# KiCad board data-center-rdimm-ddr4-tester.kicad_pcb (continued)
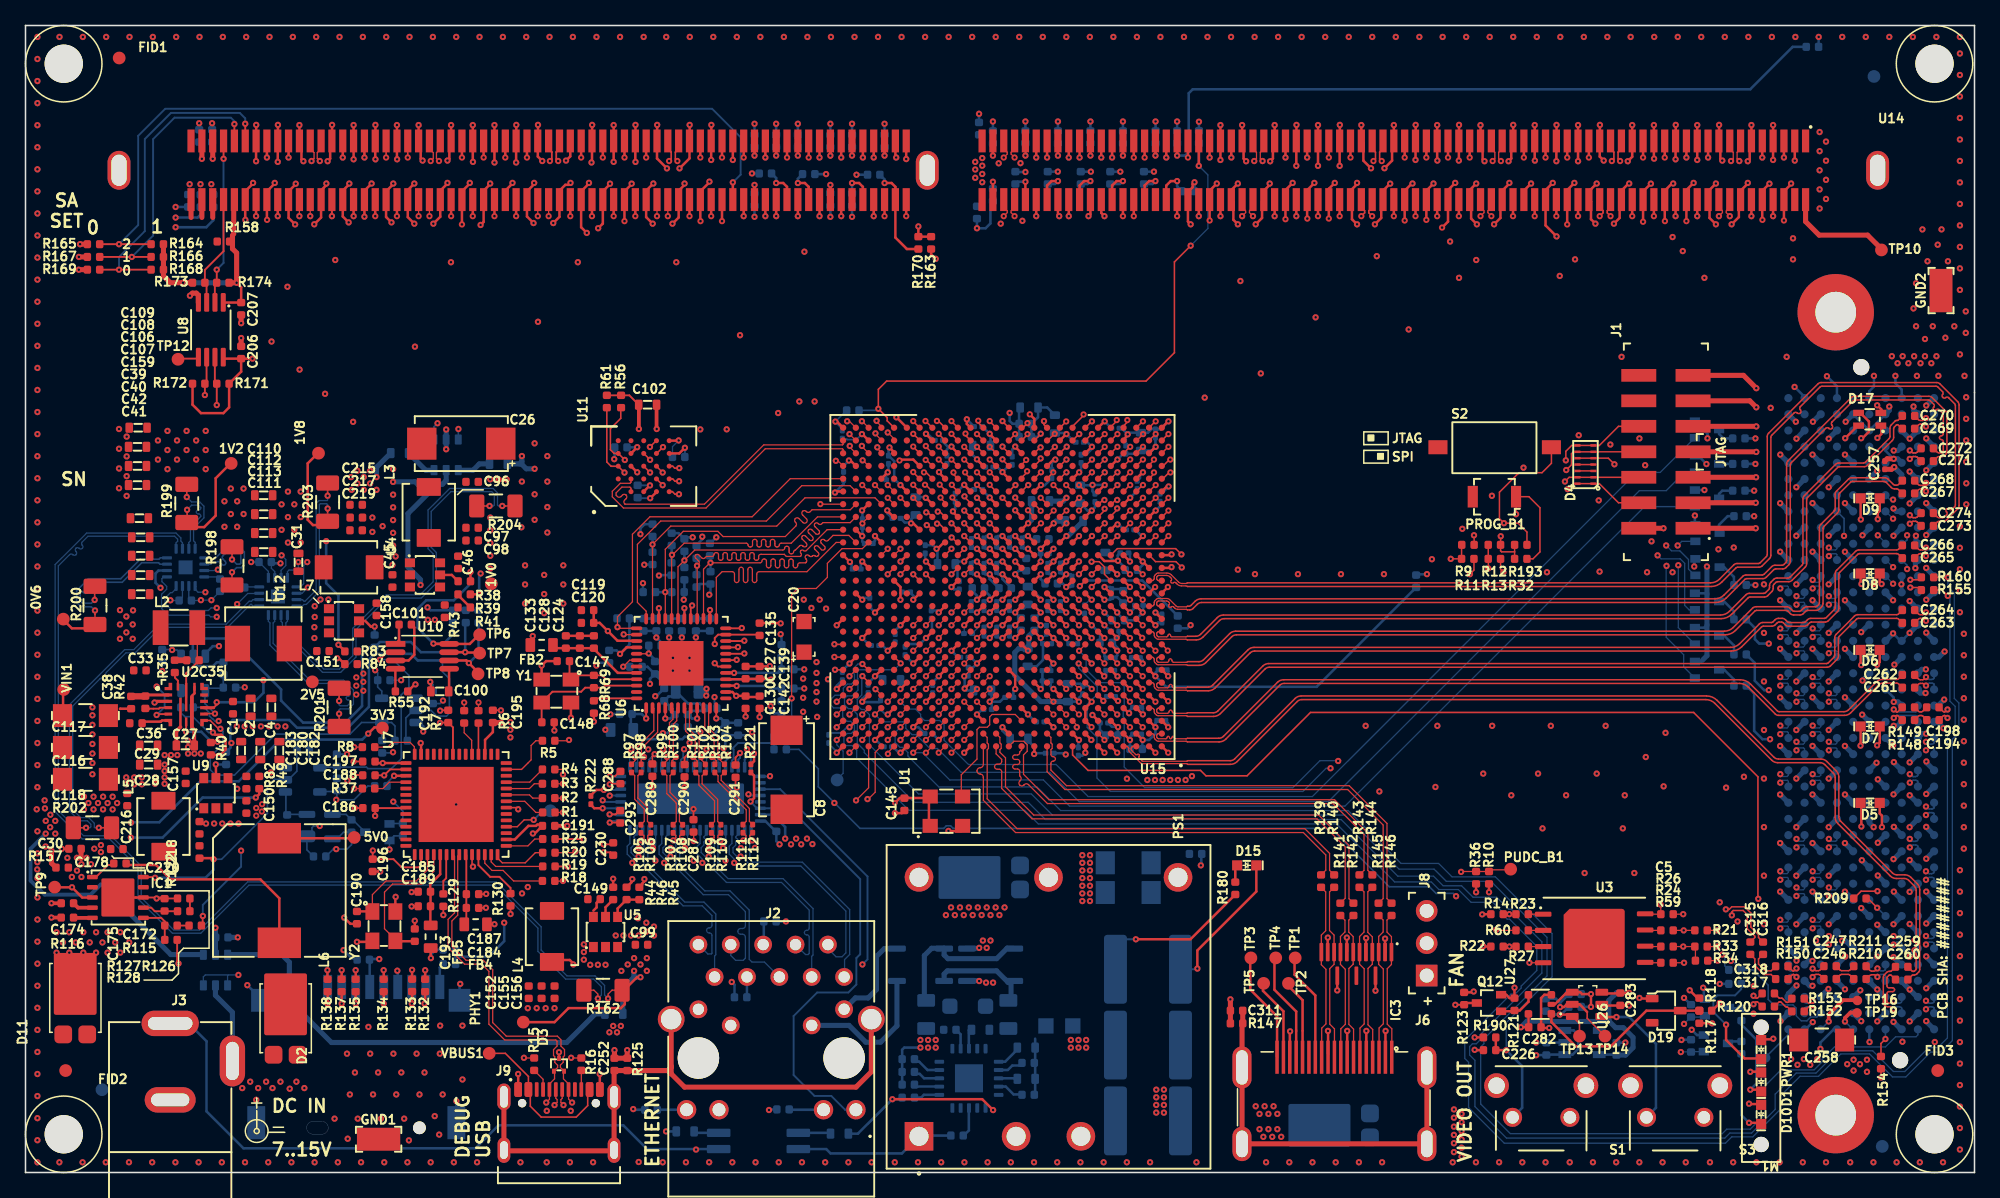
[diagram p0: board, top side]
## Routing (per net, layer and track width the routed paths; a pad name or vN(x,y) marks a point on that pad's centre or on a via; arc(x,y) is an arc through that point) (continued)
  In5.Cu w0.1: 83.8,38.98 84.26,39.44 86.1,39.44 87.54,38 91.71,38 97.56,43.85 132.51,43.85 135.26,46.6 136.71,46.6 137.66,47.55 138.46,47.55 138.86,47.95 140.46,47.95 141.06,48.55 141.28,48.55 v1(141.46,48.37)
  Bottom w0.1: v1(141.46,48.37) 141.64,48.55 142.02,48.55 142.09,48.48 J5.G30
FMC_IO_10_N: length 83.4
  Top w0.1: U15.E16 v3(74.64,37.94)
  In5.Cu w0.09: v3(74.64,37.94) 74.97,37.94 75.03,37.88 75.03,37.59 75.29,37.33 75.47,37.33 75.47,37.33 76.4,37.33 76.46,37.28 arc(76.48,37.22) 76.46,37.17 76.39,37.1 arc(76.31,36.91) 76.39,36.71 76.53,36.57 arc(76.72,36.49) 76.92,36.57 76.99,36.64 arc(77.04,36.66) 77.09,36.64 77.27,36.47 arc(77.53,36.36) 77.8,36.47 77.87,36.54 arc(77.99,36.59) 78.12,36.54 arc(78.17,36.41) 78.12,36.29 78.05,36.22 arc(77.94,35.95) 78.05,35.69 78.39,35.35 78.71,35.35 78.76,35.3 arc(78.79,35.21) 78.76,35.12 78.67,35.03 arc(78.63,34.94) 78.67,34.85 arc(78.76,34.82) 78.84,34.85 78.93,34.94 arc(79.02,34.98) 79.11,34.94 79.16,34.89 79.16,34.59 78.71,34.14 arc(78.57,33.81) 78.71,33.47 arc(79.05,33.33) 79.38,33.47 79.63,33.72 arc(79.82,33.8) 80.02,33.72 80.39,33.34 80.69,33.34 arc(80.94,33.44) 81.04,33.69 81.04,33.79 arc(81.08,33.9) 81.19,33.94 81.24,33.94 arc(81.35,33.9) 81.39,33.79 81.39,33.69 arc(81.49,33.44) 81.74,33.34 81.79,33.34 arc(81.91,33.29) 81.97,33.17 81.97,33.02 arc(82.07,32.75) 82.34,32.64 arc(82.61,32.75) 82.72,33.02 82.72,33.17 arc(82.77,33.29) 82.89,33.34 83.55,33.34 84.04,32.85 84.82,32.85 arc(84.86,32.84) 84.89,32.82 84.92,32.79
  In5.Cu w0.1: v1(140.19,42.68) 140.37,42.5 140.64,42.5 140.76,42.62 140.76,42.9 140.53,43.13 139.9,43.13 139.53,42.76 138.22,42.76 137.87,43.1 136.54,43.1 135.95,42.51 135.95,42.29 133.76,40.1 99.56,40.1 94.29,34.83 94.29,34.18 94.15,34.04 arc(93.76,33.88) 93.37,34.04 93.18,34.23 arc(93.01,34.3) 92.83,34.23 arc(92.76,34.05) 92.83,33.87 93.02,33.69 arc(93.18,33.3) 93.02,32.91 92.9,32.79 84.92,32.79
  Bottom w0.1: 140.82,42.98 140.82,42.61 140.72,42.5 140.37,42.5 v1(140.19,42.68)
FMC_IO_10_P: length 83.5
  Top w0.1: U15.E15 v3(75.64,37.94)
  In5.Cu w0.09: v3(75.64,37.94) 75.31,37.94 75.24,37.86 75.24,37.67 75.37,37.53 75.39,37.53 75.39,37.53 76.48,37.53 76.6,37.42 arc(76.68,37.22) 76.6,37.03 76.53,36.96 arc(76.51,36.91) 76.53,36.85 76.67,36.71 arc(76.72,36.69) 76.78,36.71 76.85,36.78 arc(77.04,36.86) 77.24,36.78 77.41,36.61 arc(77.53,36.56) 77.66,36.61 77.73,36.68 arc(77.99,36.79) 78.26,36.68 arc(78.37,36.41) 78.26,36.15 78.19,36.08 arc(78.14,35.95) 78.19,35.83 78.47,35.54 78.79,35.54 79.36,34.98 79.36,34.51 78.85,34 arc(78.77,33.81) 78.85,33.61 arc(79.05,33.53) 79.24,33.61 79.49,33.86 arc(79.82,34) 80.16,33.86 80.48,33.54 80.69,33.54 arc(80.8,33.58) 80.84,33.69 80.84,33.79 arc(80.94,34.04) 81.19,34.14 81.24,34.14 arc(81.49,34.04) 81.59,33.79 81.59,33.69 arc(81.63,33.58) 81.74,33.54 81.79,33.54 arc(82.06,33.43) 82.16,33.17 82.16,33.02 arc(82.22,32.89) 82.34,32.84 arc(82.46,32.89) 82.51,33.02 82.51,33.17 arc(82.62,33.43) 82.89,33.54 83.63,33.54 84.12,33.05 84.84,33.05 arc(84.88,33.06) 84.91,33.08 84.92,33.09
  In5.Cu w0.1: v1(140.19,42.02) 140.37,42.2 140.76,42.2 141.06,42.5 141.06,43.02 140.65,43.43 139.78,43.43 139.41,43.06 138.34,43.06 138,43.4 136.42,43.4 135.65,42.64 135.65,42.41 133.64,40.4 99.44,40.4 93.99,34.95 93.99,34.3 93.94,34.25 arc(93.76,34.18) 93.59,34.25 93.4,34.44 arc(93.01,34.6) 92.62,34.44 arc(92.46,34.05) 92.62,33.66 92.81,33.47 arc(92.88,33.3) 92.81,33.12 92.78,33.09 84.92,33.09
  Bottom w0.1: 140.82,41.72 140.82,42.13 140.75,42.2 140.37,42.2 v1(140.19,42.02)
FMC_IO_11_N: length 82.4
  Top w0.1: v1(71.69,37.92) 71.69,37.99 U15.F18
  In7.Cu w0.09: 91.2,34.44 91.18,34.46 arc(91.14,34.48) 91.11,34.49 90.17,34.49 89.59,33.9 88.46,33.9 88.02,34.33 82.47,34.33 82.33,34.19 79.04,34.19 78.92,34.3 arc(78.81,34.57) 78.92,34.84 79.3,35.21 arc(79.35,35.34) 79.3,35.46 arc(79.18,35.51) 79.05,35.46 78.67,35.08 arc(78.41,34.97) 78.14,35.08 77.82,35.41 arc(77.68,35.47) 77.54,35.41 77.43,35.3 arc(77.15,35.18) 76.87,35.3 arc(76.75,35.58) 76.87,35.87 77.41,36.41 arc(77.45,36.5) 77.41,36.59 77.31,36.7 arc(77.22,36.73) 77.13,36.7 76.44,36.01 arc(76.16,35.89) 75.88,36.01 arc(75.76,36.29) 75.88,36.57 76.56,37.26 arc(76.6,37.35) 76.56,37.44 76.46,37.55 arc(76.37,37.58) 76.28,37.55 76.21,37.47 arc(75.98,37.38) 75.75,37.47 75.69,37.54 arc(75.56,37.59) 75.44,37.54 75.26,37.36 arc(75,37.25) 74.73,37.36 arc(74.62,37.63) 74.73,37.89 74.91,38.07 arc(74.96,38.19) 74.91,38.32 74.7,38.52 73.51,38.52 73.33,38.34 71.81,38.34 71.69,38.22 v1(71.69,37.92)
  In7.Cu w0.1: v1(137.65,38.87) 137.65,38.86 137.82,38.69 138.06,38.69 138.25,38.89 138.25,39.1 138.05,39.3 137.24,39.3 arc(137.12,39.25) 137.07,39.12 137.07,38.89 arc(137.02,38.76) 136.89,38.71 arc(136.77,38.76) 136.72,38.89 136.72,39.12 arc(136.67,39.25) 136.54,39.3 136.11,39.3 134.66,37.85 98.06,37.85 94.65,34.44 91.2,34.44
  Bottom w0.1: v1(137.65,38.87) 137.83,38.69 138.18,38.69 138.28,38.8 138.28,39.17
FMC_IO_11_P: length 82.7
  Top w0.1: U15.G17 v1(72.64,38.94)
  In7.Cu w0.09: 91.2,34.74 91.18,34.72 arc(91.14,34.7) 91.11,34.69 90.09,34.69 89.5,34.1 88.54,34.1 88.11,34.53 82.39,34.53 82.24,34.39 79.12,34.39 79.06,34.45 arc(79.01,34.57) 79.06,34.69 79.44,35.07 arc(79.55,35.34) 79.44,35.6 arc(79.18,35.71) 78.91,35.6 78.53,35.22 arc(78.41,35.17) 78.29,35.22 77.96,35.55 arc(77.68,35.67) 77.4,35.55 77.29,35.44 arc(77.15,35.38) 77.01,35.44 arc(76.95,35.58) 77.01,35.72 77.55,36.27 arc(77.65,36.5) 77.55,36.73 77.45,36.84 arc(77.22,36.93) 76.99,36.84 76.3,36.15 arc(76.16,36.09) 76.02,36.15 arc(75.96,36.29) 76.02,36.43 76.71,37.12 arc(76.8,37.35) 76.71,37.58 76.6,37.69 arc(76.37,37.78) 76.14,37.69 76.07,37.62 arc(75.98,37.58) 75.89,37.62 75.83,37.68 arc(75.56,37.79) 75.3,37.68 75.12,37.5 arc(75,37.45) 74.87,37.5 arc(74.82,37.63) 74.87,37.75 75.05,37.93 arc(75.16,38.19) 75.05,38.46 74.79,38.72 73.43,38.72 73.25,38.54 72.1,38.54 72.01,38.63 72.01,38.8 72.15,38.94 v1(72.64,38.94)
  In7.Cu w0.1: 91.2,34.74 94.53,34.74 97.94,38.15 134.54,38.15 135.99,39.6 138.18,39.6 138.55,39.23 138.55,38.76 138.18,38.39 137.82,38.39 137.65,38.22 v1(137.65,38.21)
  Bottom w0.1: v1(137.65,38.21) 137.83,38.39 138.21,38.39 138.28,38.32 138.28,37.91
FMC_IO_12_N: length 81.2
  Top w0.1: U15.E17 v1(72.64,36.94)
  In7.Cu w0.09: 91.21,33.16 91.19,33.18 arc(91.15,33.2) 91.12,33.21 85.23,33.21 85.1,33.34 78.82,33.34 arc(78.54,33.46) 78.42,33.74 78.42,33.96 arc(78.36,34.1) 78.22,34.16 arc(78.08,34.1) 78.02,33.96 78.02,32.97 arc(77.9,32.68) 77.62,32.57 arc(77.34,32.68) 77.22,32.97 77.22,34.06 arc(77.16,34.2) 77.02,34.26 arc(76.88,34.2) 76.82,34.06 76.82,33.74 arc(76.7,33.46) 76.42,33.34 76.17,33.34 75.86,33.65 75.86,35.42 73.94,37.34 72.72,37.34 72.64,37.26 v1(72.64,36.94)
  In7.Cu w0.1: v1(138.92,37.6) 139.1,37.42 139.46,37.42 139.81,37.07 139.81,36.61 139.3,36.1 138.59,36.1 138.14,36.55 136.45,36.55 arc(136.1,36.7) 135.95,37.05 135.95,37.5 arc(135.89,37.64) 135.75,37.7 arc(135.61,37.64) 135.55,37.5 135.55,37.05 arc(135.4,36.7) 135.05,36.55 98.76,36.55 95.37,33.16 91.21,33.16
  Bottom w0.1: v1(138.92,37.6) 139.1,37.42 139.45,37.42 139.56,37.53 J5.J22
FMC_IO_12_P: length 81.4
  Top w0.1: U15.F17 v1(72.64,37.94)
  In7.Cu w0.09: 91.21,33.46 91.19,33.44 arc(91.15,33.42) 91.11,33.41 85.31,33.41 85.18,33.54 79.74,33.54 arc(79.65,33.57) 79.62,33.66 79.62,33.67 arc(79.58,33.76) 79.49,33.79 arc(79.4,33.76) 79.37,33.67 79.37,33.66 arc(79.33,33.57) 79.24,33.54 78.82,33.54 arc(78.68,33.6) 78.62,33.74 78.62,33.96 arc(78.5,34.24) 78.22,34.36 arc(77.94,34.24) 77.82,33.96 77.82,32.97 arc(77.76,32.82) 77.62,32.77 arc(77.48,32.82) 77.42,32.97 77.42,34.06 arc(77.3,34.34) 77.02,34.46 arc(76.74,34.34) 76.62,34.06 76.62,33.74 arc(76.56,33.6) 76.42,33.54 76.25,33.54 76.06,33.73 76.06,35.5 74.02,37.54 72.75,37.54 72.64,37.65 v1(72.64,37.94)
  In7.Cu w0.1: 91.21,33.46 95.25,33.46 98.64,36.85 135.05,36.85 arc(135.19,36.91) 135.25,37.05 135.25,37.5 arc(135.4,37.85) 135.75,38 arc(136.1,37.85) 136.25,37.5 136.25,37.05 arc(136.31,36.91) 136.45,36.85 136.58,36.85 arc(136.7,36.9) 136.75,37.03 136.75,37.28 arc(136.81,37.4) 136.93,37.45 arc(137.05,37.4) 137.1,37.28 137.1,37.03 arc(137.16,36.9) 137.28,36.85 138.26,36.85 138.71,36.4 139.17,36.4 139.51,36.74 139.51,36.95 139.34,37.12 139.1,37.12 v1(138.92,36.94)
  Bottom w0.1: v1(138.92,36.94) 139.1,37.12 139.48,37.12 139.56,37.05 139.56,36.64
FMC_IO_13_N: length 78.5
  Top w0.1: U15.D18 v1(71.64,35.94)
  In7.Cu w0.09: v1(71.64,35.94) 71.64,36.24 71.74,36.34 72.86,36.34 72.92,36.28 arc(73.18,36.17) 73.45,36.28 73.8,36.64 arc(73.93,36.69) 74.05,36.64 arc(74.1,36.51) 74.05,36.39 73.24,35.58 arc(73.13,35.31) 73.24,35.04 arc(73.5,34.94) 73.77,35.04 73.84,35.12 arc(73.96,35.17) 74.09,35.12 74.22,34.99 arc(74.48,34.88) 74.75,34.99 74.82,35.06 arc(74.95,35.11) 75.07,35.06 arc(75.12,34.94) 75.07,34.81 74.99,34.74 arc(74.88,34.47) 74.99,34.21 75.03,34.17 75.03,33.15 76.21,31.98 91.03,31.98 arc(91.07,31.97) 91.1,31.95 91.11,31.93
  In7.Cu w0.1: v1(137.65,35.06) 137.83,34.88 138.07,34.88 138.24,35.06 138.24,35.27 138.03,35.47 137.35,35.47 arc(137.19,35.41) 137.12,35.25 137.12,35.1 arc(137.06,34.94) 136.9,34.87 arc(136.74,34.94) 136.67,35.1 136.67,35.25 arc(136.61,35.41) 136.45,35.47 136.22,35.47 arc(136.07,35.42) 136.02,35.27 136.02,35.26 arc(135.96,35.12) 135.82,35.06 arc(135.67,35.12) 135.62,35.26 135.62,35.27 arc(135.56,35.42) 135.42,35.47 99.94,35.47 96.39,31.93 91.11,31.93
  Bottom w0.1: v1(137.65,35.06) 137.83,34.88 138.18,34.88 138.28,34.98 138.28,35.36
FMC_IO_13_P: length 78.3
  Top w0.1: U15.E18 v1(71.64,36.94)
  In7.Cu w0.09: 91.11,32.23 91.09,32.21 arc(91.06,32.18) 91.02,32.18 76.29,32.18 75.24,33.24 75.24,34.25 75.14,34.35 arc(75.08,34.47) 75.14,34.6 75.21,34.67 arc(75.32,34.94) 75.21,35.2 arc(74.95,35.31) 74.68,35.2 74.61,35.13 arc(74.48,35.08) 74.36,35.13 74.23,35.26 arc(73.96,35.37) 73.7,35.26 73.63,35.19 arc(73.5,35.14) 73.38,35.19 arc(73.33,35.31) 73.38,35.43 74.19,36.25 arc(74.3,36.51) 74.19,36.78 arc(73.93,36.89) 73.66,36.78 73.31,36.42 arc(73.18,36.37) 73.06,36.42 72.94,36.54 71.71,36.54 71.64,36.61 v1(71.64,36.94)
  In7.Cu w0.1: v1(137.65,34.4) 137.83,34.58 138.19,34.58 138.54,34.93 138.54,35.39 138.16,35.77 99.81,35.77 96.27,32.23 91.11,32.23
  Bottom w0.1: v1(137.65,34.4) 137.83,34.58 138.21,34.58 138.28,34.51 138.28,34.09
FMC_IO_14_N: length 84.1
  Top w0.1: U15.H18 v1(71.64,39.94)
  In7.Cu w0.09: v1(71.64,39.94) 71.98,39.94 72.05,39.87 72.05,39.56 72.28,39.33 75.25,39.33 75.45,39.13 arc(75.7,39.03) 75.95,39.13 76.06,39.24 arc(76.16,39.28) 76.27,39.24 arc(76.31,39.13) 76.27,39.03 75.74,38.5 arc(75.64,38.25) 75.74,38 arc(75.99,37.9) 76.23,38 76.76,38.53 arc(76.87,38.57) 76.98,38.53 arc(77.02,38.42) 76.98,38.32 76.87,38.21 arc(76.77,37.97) 76.87,37.72 78.17,36.42 78.93,36.42 78.96,36.39 arc(79.23,36.28) 79.49,36.39 79.6,36.49 arc(79.72,36.54) 79.85,36.49 arc(79.9,36.37) 79.85,36.24 79.74,36.14 arc(79.63,35.87) 79.74,35.61 79.85,35.5 80.23,35.5 arc(80.51,35.62) 80.63,35.9 80.63,36.6 arc(80.69,36.74) 80.83,36.8 arc(80.97,36.74) 81.03,36.6 81.03,35.05 arc(81.15,34.77) 81.43,34.65 arc(81.71,34.77) 81.83,35.05 81.83,35.3 arc(81.89,35.44) 82.03,35.5 82.86,35.5 83.26,35.1 84.74,35.1 84.99,35.34 85.86,35.34 85.87,35.34 86.57,35.34 86.83,35.08 87.94,35.08 88.53,35.66 91.14,35.66 arc(91.17,35.66) 91.21,35.63 91.22,35.62
  In7.Cu w0.1: v1(138.92,41.41) 139.1,41.23 139.46,41.23 139.81,40.88 139.81,40.42 139.43,40.04 137.55,40.04 136.96,40.63 135.69,40.63 134.16,39.1 97.27,39.1 93.8,35.62 91.22,35.62
  Bottom w0.1: v1(138.92,41.41) 139.1,41.23 139.45,41.23 139.56,41.33 139.56,41.72
FMC_IO_14_P: length 84
  Top w0.1: U15.H17 v1(72.64,39.94)
  In7.Cu w0.09: v1(72.64,39.94) 72.33,39.94 72.25,39.86 72.25,39.65 72.36,39.53 75.33,39.53 75.6,39.27 arc(75.7,39.23) 75.81,39.27 75.91,39.38 arc(76.16,39.48) 76.41,39.38 arc(76.51,39.13) 76.41,38.88 75.88,38.35 arc(75.84,38.25) 75.88,38.14 arc(75.99,38.1) 76.09,38.14 76.62,38.67 arc(76.87,38.77) 77.12,38.67 arc(77.22,38.42) 77.12,38.18 77.01,38.07 arc(76.97,37.97) 77.01,37.86 78.25,36.62 79.01,36.62 79.1,36.53 arc(79.23,36.48) 79.35,36.53 79.46,36.63 arc(79.72,36.74) 79.99,36.63 arc(80.1,36.37) 79.99,36.1 79.88,36 arc(79.83,35.87) 79.88,35.75 79.93,35.7 80.23,35.7 arc(80.37,35.76) 80.43,35.9 80.43,36.6 arc(80.55,36.88) 80.83,37 arc(81.11,36.88) 81.23,36.6 81.23,35.05 arc(81.29,34.91) 81.43,34.85 arc(81.57,34.91) 81.63,35.05 81.63,35.3 arc(81.75,35.58) 82.03,35.7 82.94,35.7 83.34,35.3 84.66,35.3 84.9,35.54 86.65,35.54 86.91,35.28 87.86,35.28 88.44,35.86 91.11,35.86 arc(91.15,35.87) 91.18,35.89 91.22,35.92
  In7.Cu w0.1: 91.22,35.92 93.67,35.92 97.15,39.4 134.04,39.4 135.57,40.93 135.73,40.93 arc(135.87,40.99) 135.93,41.13 135.93,41.26 arc(135.99,41.4) 136.13,41.46 arc(136.27,41.4) 136.33,41.26 136.33,41.13 arc(136.39,40.99) 136.53,40.93 137.08,40.93 137.67,40.34 137.82,40.34 arc(137.96,40.4) 138.02,40.54 138.02,40.59 arc(138.08,40.73) 138.22,40.79 arc(138.36,40.73) 138.42,40.59 138.42,40.54 arc(138.48,40.4) 138.62,40.34 139.3,40.34 139.51,40.55 139.51,40.76 139.34,40.93 139.1,40.93 v1(138.92,40.75)
  Bottom w0.1: v1(138.92,40.75) 139.1,40.93 139.48,40.93 139.56,40.86 J5.J24
FMC_IO_16_N: length 86.3
  Top w0.1: U15.F20 v1(69.64,37.94)
  In9.Cu w0.09: 86.62,38.71 86.62,38.72 arc(86.61,38.77) 86.58,38.82 86,39.4 84.14,39.4 83.37,38.63 76.79,38.63 arc(76.65,38.57) 76.59,38.43 76.59,38.03 arc(76.47,37.75) 76.19,37.63 arc(75.91,37.75) 75.79,38.03 75.79,38.43 arc(75.73,38.57) 75.59,38.63 73.67,38.63 73.38,38.33 70.03,38.33 v1(69.64,37.94)
  In9.Cu w0.1: 86.62,38.71 87.26,38.08 89.56,38.08 91.57,36.07 125.92,36.07 128.74,33.25 129.49,33.25 130.85,31.89 130.85,28.44 132.35,26.94 132.35,25.69 134.25,23.79 134.25,22.94 135.15,22.04 135.15,21.24 136.09,20.3 136.54,20.3 arc(136.67,20.25) 136.72,20.12 136.72,19.86 arc(136.77,19.73) 136.89,19.68 arc(137.02,19.73) 137.07,19.86 137.07,20.12 arc(137.12,20.25) 137.24,20.3 138.09,20.3 138.25,20.14 138.25,19.86 138.03,19.64 137.83,19.64 v1(137.65,19.82)
  Bottom w0.1: 138.28,20.12 138.28,19.75 138.18,19.64 137.83,19.64 v1(137.65,19.82)
FMC_IO_16_P: length 86.3
  Top w0.1: U15.G19 v1(70.64,38.94)
  In9.Cu w0.09: v1(70.64,38.94) 70.26,38.94 70.17,38.85 70.17,38.67 70.31,38.53 73.29,38.53 73.59,38.83 75.59,38.83 arc(75.87,38.71) 75.99,38.43 75.99,38.03 arc(76.05,37.89) 76.19,37.83 arc(76.33,37.89) 76.39,38.03 76.39,38.43 arc(76.51,38.71) 76.79,38.83 83.29,38.83 84.06,39.6 86.08,39.6 86.71,38.97 arc(86.76,38.94) 86.82,38.93 86.84,38.93
  In9.Cu w0.1: v1(137.65,19.16) 137.83,19.34 138.15,19.34 138.55,19.74 138.55,20.26 138.21,20.6 136.21,20.6 135.45,21.36 135.45,22.16 134.55,23.06 134.55,23.91 132.65,25.81 132.65,27.06 131.15,28.56 131.15,32.01 129.61,33.55 128.86,33.55 126.04,36.37 91.69,36.37 89.68,38.38 87.38,38.38 86.84,38.93
  Bottom w0.1: 138.28,18.86 138.28,19.27 138.21,19.34 137.83,19.34 v1(137.65,19.16)
FMC_IO_17_N: length 81.6
  Top w0.1: v1(69.64,36.94) U15.E20
  In7.Cu w0.09: v1(69.64,36.94) 69.64,37.28 69.73,37.38 69.89,37.38 70.04,37.22 70.04,35.12 70.21,34.95 70.21,34.59 70.16,34.55
  In7.Cu w0.1: v1(137.65,31.25) 137.83,31.07 138.07,31.07 138.24,31.25 138.24,31.46 137.83,31.86 137.34,31.86 arc(137.2,31.8) 137.14,31.66 137.14,31.61 arc(137.08,31.47) 136.94,31.41 arc(136.8,31.47) 136.74,31.61 136.74,31.66 arc(136.68,31.8) 136.54,31.86 126.73,31.86 125.84,32.75 101.46,32.75 98.49,29.78 93.11,29.78 92.48,29.15 84.54,29.15 83.91,29.78 74.03,29.78 73.07,30.73 73.07,31.93 72.67,32.34 72.06,32.34 arc(71.92,32.28) 71.87,32.14 71.87,32.12 arc(71.81,31.98) 71.66,31.92 arc(71.52,31.98) 71.47,32.12 71.47,32.14 arc(71.41,32.28) 71.26,32.34 70.51,32.34 70.16,32.68 70.16,34.55
  Bottom w0.1: 138.28,31.56 138.28,31.17 138.18,31.07 137.83,31.07 v1(137.65,31.25)
FMC_IO_17_P: length 81.1
  Top w0.1: v1(70.64,37.94) U15.F19
  In7.Cu w0.09: v1(70.64,37.94) 70.24,37.54 70.24,35.2 70.41,35.03 70.41,34.6 70.46,34.55
  In7.Cu w0.1: v1(137.65,30.59) 137.83,30.77 138.19,30.77 138.54,31.12 138.54,31.58 137.96,32.16 126.85,32.16 125.96,33.05 101.34,33.05 98.36,30.08 92.98,30.08 92.36,29.45 84.66,29.45 84.04,30.08 74.15,30.08 73.37,30.85 73.37,32.05 72.79,32.64 70.63,32.64 70.46,32.81 70.46,34.55
  Bottom w0.1: v1(137.65,30.59) 137.83,30.77 138.21,30.77 138.28,30.7 138.28,30.28
FMC_IO_18_N: length 87.2
  Top w0.1: v1(69.64,38.94) U15.G20
  In9.Cu w0.09: 86.85,40.65 86.84,40.66 arc(86.79,40.69) 86.73,40.7 86.58,40.7 86.22,40.34 82.3,40.34 81.3,39.33 80.14,39.33 79.75,39.73 75.46,39.73 75.07,39.33 70.03,39.33 v1(69.64,38.94)
  In9.Cu w0.1: 86.85,40.65 88.21,40.65 89.47,39.39 90,39.39 91.74,37.65 127.39,37.65 132.35,32.69 132.35,29.19 133.85,27.69 133.85,26.19 135.35,24.69 135.35,22.94 136.99,21.3 138.19,21.3 138.64,20.85 139.52,20.85 139.87,21.2 139.87,21.75 139.43,22.18 139.1,22.18 v1(138.92,22.36)
  Bottom w0.1: J5.J10 139.56,22.28 139.45,22.18 139.1,22.18 v1(138.92,22.36)
FMC_IO_18_P: length 87
  Top w0.1: v1(70.64,39.94) U15.H19
  In9.Cu w0.09: v1(70.64,39.94) 70.2,39.94 70.04,39.78 70.04,39.62 70.13,39.53 74.98,39.53 75.38,39.93 79.83,39.93 80.23,39.53 81.21,39.53 82.22,40.54 86.13,40.54 86.5,40.9 86.74,40.9 arc(86.8,40.92) 86.85,40.95 86.85,40.95
  In9.Cu w0.1: v1(138.92,21.7) 139.1,21.88 139.31,21.88 139.57,21.62 139.57,21.32 139.4,21.15 138.76,21.15 138.31,21.6 137.11,21.6 137.02,21.69 arc(136.97,21.8) 137.02,21.91 137.05,21.94 arc(137.1,22.05) 137.05,22.15 arc(136.95,22.2) 136.84,22.15 136.81,22.12 arc(136.7,22.07) 136.59,22.12 135.65,23.06 135.65,24.81 134.15,26.31 134.15,27.81 132.65,29.31 132.65,32.81 127.51,37.95 91.86,37.95 90.12,39.69 89.59,39.69 88.33,40.95 86.85,40.95
  Bottom w0.1: 139.56,21.39 139.56,21.81 139.48,21.88 139.1,21.88 v1(138.92,21.7)
FMC_IO_19_N: length 92.3
  Top w0.1: U15.J20 v1(69.64,40.94)
  In5.Cu w0.09: v1(69.64,40.94) 70.04,41.34 70.86,41.34 71.03,41.17 71.03,36.63 71.33,36.34 73.11,36.34 74.84,34.61 arc(75.1,34.5) 75.37,34.61 75.72,34.96 arc(75.85,35.01) 75.97,34.96 arc(76.02,34.84) 75.97,34.72 75.62,34.36 arc(75.51,34.1) 75.62,33.83 75.79,33.66 arc(76.05,33.55) 76.32,33.66 77.13,34.47 arc(77.25,34.53) 77.38,34.47 arc(77.43,34.35) 77.38,34.23 77.31,34.16 arc(77.21,33.91) 77.31,33.66 77.45,33.52 arc(77.5,33.41) 77.45,33.31 arc(77.35,33.26) 77.24,33.31 77.1,33.45 arc(76.85,33.55) 76.6,33.45 76.57,33.41 arc(76.46,33.15) 76.57,32.88 76.81,32.64 76.81,32.19 77.07,31.92 arc(77.31,31.82) 77.55,31.92 77.62,31.99 arc(77.71,32.03) 77.8,31.99 77.83,31.97 arc(77.87,31.87) 77.83,31.78 77.76,31.71 arc(77.66,31.47) 77.76,31.24 78.44,30.55 arc(78.47,30.52) 78.47,30.48 78.47,30.46
  In5.Cu w0.1: 78.47,30.46 78.89,30.05 93.51,30.05 101.31,37.85 135.01,37.85 135.19,38.03 arc(135.22,38.05) 135.26,38.06 135.43,38.06 arc(135.47,38.07) 135.5,38.09 135.62,38.21 arc(135.64,38.24) 135.65,38.28 135.65,38.44 arc(135.65,38.48) 135.68,38.51 136.11,38.95 137.13,38.95 137.48,39.29 137.82,39.29 138.17,38.95 139.16,38.95 139.51,39.3 140.54,39.3 140.8,39.04 140.8,38.91 140.58,38.69 140.37,38.69 v1(140.19,38.87)
  Bottom w0.1: 140.82,39.17 140.82,38.8 140.72,38.69 140.37,38.69 v1(140.19,38.87)
FMC_IO_19_P: length 93.4
  Top w0.1: U15.K20 v1(69.64,41.94)
  In5.Cu w0.09: 78.69,30.68 78.64,30.68 arc(78.61,30.68) 78.59,30.69 77.9,31.38 arc(77.86,31.47) 77.9,31.57 77.97,31.64 arc(78.07,31.87) 77.97,32.11 77.94,32.13 arc(77.71,32.23) 77.47,32.13 77.4,32.06 arc(77.31,32.02) 77.22,32.06 77.01,32.27 77.01,32.72 76.71,33.02 arc(76.66,33.15) 76.71,33.27 76.74,33.31 arc(76.85,33.35) 76.96,33.31 77.1,33.17 arc(77.35,33.06) 77.59,33.17 arc(77.7,33.41) 77.59,33.66 77.45,33.8 arc(77.41,33.91) 77.45,34.02 77.52,34.09 arc(77.63,34.35) 77.52,34.62 arc(77.25,34.73) 76.99,34.62 76.18,33.8 arc(76.05,33.75) 75.93,33.8 75.76,33.97 arc(75.71,34.1) 75.76,34.22 76.11,34.57 arc(76.22,34.84) 76.11,35.1 arc(75.85,35.21) 75.58,35.1 75.23,34.75 arc(75.1,34.7) 74.98,34.75 73.94,35.8 arc(73.9,35.88) 73.94,35.97 73.94,35.98 arc(73.98,36.07) 73.94,36.16 arc(73.86,36.19) 73.77,36.16 73.76,36.15 arc(73.67,36.11) 73.58,36.15 73.19,36.54 71.41,36.54 71.23,36.71 71.23,41.25 70.95,41.54 70.04,41.54 v1(69.64,41.94)
  In5.Cu w0.1: v1(140.19,38.21) 140.37,38.39 140.7,38.39 141.1,38.79 141.1,39.16 140.66,39.6 139.39,39.6 139.04,39.25 138.29,39.25 137.95,39.59 137.35,39.59 137.01,39.25 135.99,39.25 134.89,38.15 101.19,38.15 93.39,30.35 79.01,30.35 78.69,30.68
  Bottom w0.1: 140.82,37.91 140.82,38.32 140.75,38.39 140.37,38.39 v1(140.19,38.21)
FMC_IO_20_N: length 84.3
  Top w0.1: U15.J19 v1(70.64,40.94)
  In7.Cu w0.09: 91.19,36.66 91.16,36.69 arc(91.13,36.71) 91.09,36.72 90.58,36.72 arc(90.32,36.82) 90.21,37.09 90.21,37.29 arc(90.16,37.41) 90.03,37.47 arc(89.91,37.41) 89.86,37.29 89.86,36.44 arc(89.75,36.17) 89.48,36.06 arc(89.22,36.17) 89.11,36.44 89.11,37.29 arc(89.06,37.41) 88.93,37.47 arc(88.81,37.41) 88.76,37.29 88.76,36.44 arc(88.65,36.17) 88.38,36.06 arc(88.12,36.17) 88.01,36.44 88.01,37.64 arc(87.96,37.76) 87.83,37.81 arc(87.71,37.76) 87.66,37.64 87.66,37.09 arc(87.55,36.82) 87.28,36.72 86.48,36.72 86.15,36.38 84.08,36.38 83.9,36.56 arc(83.79,36.6) 83.69,36.56 83.62,36.49 arc(83.37,36.39) 83.12,36.49 arc(83.02,36.74) 83.12,36.98 83.19,37.06 arc(83.24,37.16) 83.19,37.27 83.06,37.4 82.04,37.4 81.84,37.2 78.96,37.2 75.82,40.33 74.35,40.33 arc(74.26,40.3) 74.22,40.21 arc(74.19,40.12) 74.1,40.08 arc(74.01,40.12) 73.97,40.21 arc(73.94,40.3) 73.85,40.33 73.52,40.33 arc(73.42,40.29) 73.37,40.18 73.37,40.13 arc(73.33,40.02) 73.22,39.98 arc(73.12,40.02) 73.07,40.13 73.07,40.18 arc(73.03,40.29) 72.92,40.33 71.28,40.33 71.05,40.56 71.05,40.85 70.96,40.94 v1(70.64,40.94)
  In7.Cu w0.1: 91.19,36.66 93.13,36.66 96.61,40.14 133.1,40.14 136.15,43.19 136.26,43.19 arc(136.36,43.15) 136.41,43.04 136.41,42.99 arc(136.45,42.88) 136.56,42.84 arc(136.66,42.88) 136.71,42.99 136.71,43.04 arc(136.75,43.15) 136.86,43.19 arc(136.96,43.15) 137.01,43.04 arc(137.05,42.93) 137.16,42.89 arc(137.26,42.93) 137.31,43.04 arc(137.35,43.15) 137.46,43.19 137.92,43.19 138.22,42.89 138.22,42.68 138.05,42.5 137.81,42.5 137.65,42.66 v1(137.65,42.68)
  Bottom w0.1: 138.28,42.98 138.28,42.61 138.18,42.5 137.83,42.5 v1(137.65,42.68)
FMC_IO_20_P: length 83.4
  Top w0.1: U15.J18 v1(71.64,40.94)
  In7.Cu w0.09: 91.19,36.96 91.17,36.94 arc(91.14,36.92) 91.1,36.92 90.58,36.92 arc(90.46,36.97) 90.41,37.09 90.41,37.29 arc(90.3,37.56) 90.03,37.67 arc(89.77,37.56) 89.66,37.29 89.66,36.44 arc(89.61,36.32) 89.48,36.27 arc(89.36,36.32) 89.31,36.44 89.31,37.29 arc(89.2,37.56) 88.93,37.67 arc(88.67,37.56) 88.56,37.29 88.56,36.44 arc(88.51,36.32) 88.38,36.27 arc(88.26,36.32) 88.21,36.44 88.21,37.64 arc(88.1,37.91) 87.83,38.02 arc(87.57,37.91) 87.46,37.64 87.46,37.09 arc(87.41,36.97) 87.28,36.92 86.4,36.92 86.06,36.58 84.16,36.58 84.04,36.7 arc(83.79,36.8) 83.54,36.7 83.47,36.63 arc(83.37,36.59) 83.26,36.63 arc(83.22,36.74) 83.26,36.84 83.33,36.91 arc(83.44,37.16) 83.33,37.41 83.14,37.6 81.96,37.6 81.76,37.4 79.04,37.4 75.91,40.53 73.61,40.53 71.36,40.53 71.25,40.65 71.25,40.83 71.35,40.94 71.35,40.94 v1(71.64,40.94)
  In7.Cu w0.1: 91.19,36.96 93,36.96 96.48,40.44 132.98,40.44 136.03,43.49 138.04,43.49 138.52,43.01 138.52,42.55 138.17,42.2 137.81,42.2 137.65,42.04 v1(137.65,42.02)
  Bottom w0.1: v1(137.65,42.02) 137.83,42.2 138.21,42.2 138.28,42.13 138.28,41.72
FMC_IO_21_N: length 91
  Top w0.1: U15.L20 v1(69.64,42.94)
  In9.Cu w0.09: 85.26,41.37 85.25,41.38 arc(85.21,41.41) 85.15,41.42 84.46,41.42 84.38,41.33 82.81,41.33 82.44,41.33 81.56,40.45 73.86,40.45 73.74,40.57 arc(73.64,40.81) 73.74,41.06 74.06,41.38 arc(74.1,41.49) 74.06,41.59 arc(73.95,41.64) 73.85,41.59 73.53,41.27 arc(73.28,41.17) 73.03,41.27 72.95,41.36 arc(72.85,41.6) 72.95,41.85 73.3,42.21 arc(73.35,42.31) 73.3,42.42 arc(73.2,42.46) 73.09,42.42 72.74,42.06 arc(72.49,41.96) 72.24,42.06 71.96,42.35 70.26,42.35 70.04,42.57 70.04,42.81 69.91,42.94 v1(69.64,42.94)
  In9.Cu w0.1: v1(137.65,23.63) 137.83,23.45 138.04,23.45 138.3,23.71 138.3,24.01 137.96,24.35 137.44,24.35 137.38,24.41 arc(137.29,24.45) 137.2,24.41 arc(137.11,24.37) 137.02,24.41 136.99,24.45 arc(136.95,24.54) 136.99,24.62 arc(137.02,24.71) 136.99,24.8 arc(136.88,24.84) 136.78,24.8 136.76,24.79 arc(136.66,24.75) 136.55,24.79 arc(136.51,24.9) 136.55,25 136.56,25.01 arc(136.61,25.12) 136.56,25.22 135.35,26.44 135.35,27.94 133.85,29.44 133.85,33.19 127.99,39.05 95.98,39.05 arc(95.86,39) 95.81,38.88 95.81,38.7 arc(95.67,38.36) 95.33,38.22 arc(94.99,38.36) 94.85,38.7 94.85,39.7 arc(94.8,39.83) 94.68,39.88 arc(94.56,39.83) 94.5,39.7 94.5,38.7 arc(94.37,38.36) 94.03,38.22 arc(93.69,38.36) 93.56,38.7 93.56,38.88 arc(93.5,39) 93.38,39.05 92.09,39.05 91,40.14 90,40.14 88.77,41.37 85.26,41.37
  Bottom w0.1: v1(137.65,23.63) 137.83,23.45 138.18,23.45 138.28,23.56 138.28,23.94
